# Altium PCB 2560TK_Pcb.PcbDoc (part 2 of 2) (continued)
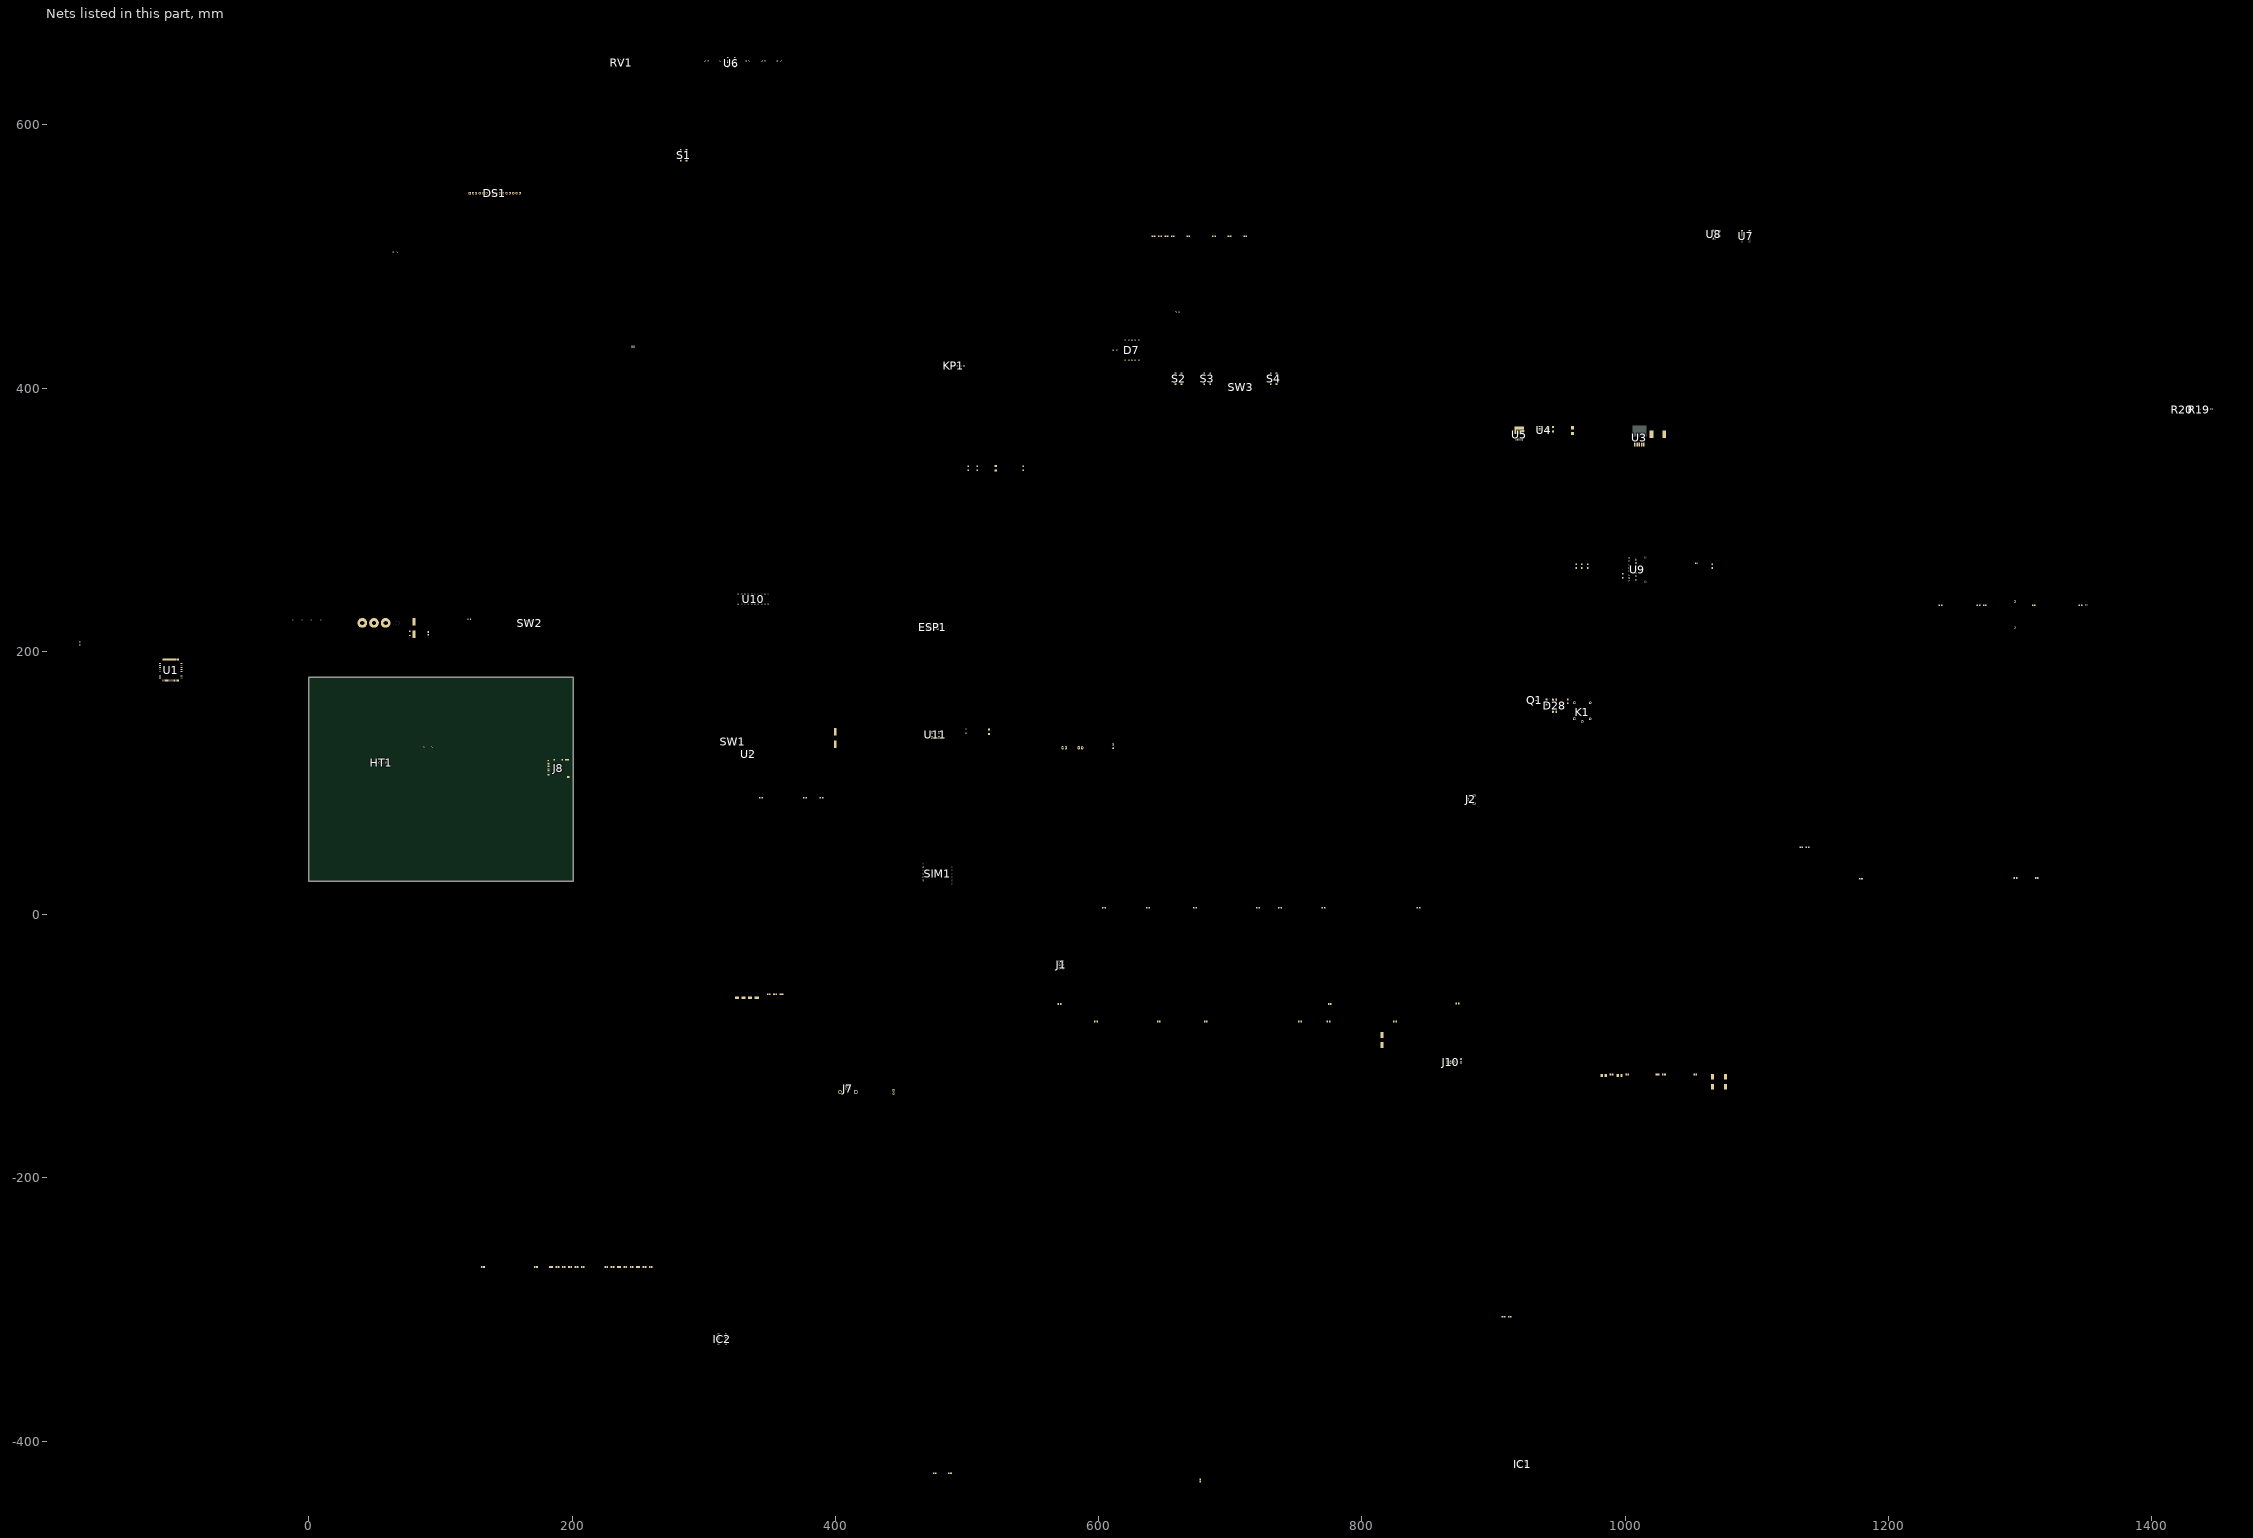
[diagram p2: the nets of this part, all layers, seen from the top]
## Part data (continued)
SW1 SW2: library part 218-4LPSTR, "SWITCH SLIDE DIP SPST 25MA 24V", Current Rating (Amps)=25mA, Manufacturer="CTS Electrocomponents", Operating Temperature="-55°C ~ 85°C", Supplier Part Number 1=CT3110CT-ND, Voltage Rating=24VDC, Actuator Level="Flush, Recessed", Actuator Type="Slide (Standard)", Circuit=SPST, ComponentLink1Description=Datasheet, ComponentLink1URL=https://www.ctscorp.com/wp-content/uploads/218.pdf, ComponentLink2Description="DigiKey Link", ComponentLink2URL=http://digikey.com/product-detail/en/cts-electrocomponents/218-4LPSTR/CT3110CT-ND/5875763, Contact Finish=Gold, Contact Material="Beryllium Copper", Features="Epoxy Sealed Terminals, Tape Seal", Height Above Board="0.104\" (2.65mm)", LastUpdated="04/01/2020 18:53:14", Lifecycle Status=Active, Minimum Order=1, Mounting Type="Surface Mount", Number of Positions=4, Packaging=ReReel, Part Number=218-4LPSTR, Part Status=Active, PartId=9, Pitch="0.050\" (1.27mm), Half", Price=0.00, Series=218, Supplier 1=DigiKey, Termination Style="Gull Wing", Washable=Yes
SW3: "SWITCH SLIDE DIP SPST 25MA 24V", Current Rating (Amps)=25mA, Manufacturer="CTS Electrocomponents", Operating Temperature="-55°C ~ 85°C", Supplier Part Number 1=CT2182LPST-ND, Voltage Rating=24VDC, Actuator Level="Flush, Recessed", Actuator Type="Slide (Standard)", Circuit=SPST, ComponentLink1Description=Datasheet, ComponentLink1URL=https://www.ctscorp.com/wp-content/uploads/218.pdf, ComponentLink2Description="DigiKey Link", ComponentLink2URL=http://digikey.com/product-detail/en/cts-electrocomponents/218-2LPST/CT2182LPST-ND/267319, Contact Finish=Gold, Contact Material="Beryllium Copper", Features="Epoxy Sealed Terminals, Tape Seal", Height Above Board="0.104\" (2.65mm)", LastUpdated="1/4/2020 18:30:26", Lifecycle Status=Active, Minimum Order=1, Mounting Type="Surface Mount", Number of Positions=2, Packaging=Tube, Part Number=218-2LPST, Part Status=Active, PartId=3, Pitch="0.050\" (1.27mm), Half", Price=1.04, Series=218, Supplier 1=DigiKey, Termination Style="Gull Wing", Washable=Yes
U1: "ATMEGA2560 IC MCU 8BIT 256KB FLASH 100TQFP", Case/Package=A, Frequency=16MHz, Manufacturer="Microchip / Atmel", Max Operating Temperature=85°C, Max Supply Voltage=5.5V, Min Operating Temperature=-40°C, Min Supply Voltage=4.5V, Operating Supply Voltage=5V, Package Quantity=1500, Supplier Part Number 1=ATMEGA2560-16AURCT-ND, Category=Microcontrollers, ComponentLink1Description=https://datasheet.ciiva.com/6641/atmel-2549-8-bit-avr-microcontroller-atmega640-1280-1281-2560-2561-summary-6641242.pdf?src-supplier=Digi-Key, ComponentLink1URL=https://datasheet.ciiva.com/6641/atmel-2549-8-bit-avr-microcontroller-atmega640-1280-1281-2560-2561-summary-6641242.pdf?src-supplier=Digi-Key, ComponentLink2Description=https://datasheet.ciiva.com/6641/atmel-2549-8-bit-avr-microcontroller-atmega640-1280-1281-2560-2561-summary-6641243.pdf?src-supplier=Digi-Key, ComponentLink2URL=https://datasheet.ciiva.com/6641/atmel-2549-8-bit-avr-microcontroller-atmega640-1280-1281-2560-2561-summary-6641243.pdf?src-supplier=Digi-Key, ComponentLink3Description=https://datasheet.ciiva.com/6641/atmel-2549-8-bit-avr-microcontroller-atmega640-1280-1281-2560-2561-summary-6641244.pdf?src-supplier=Digi-Key, ComponentLink3URL=https://datasheet.ciiva.com/6641/atmel-2549-8-bit-avr-microcontroller-atmega640-1280-1281-2560-2561-summary-6641244.pdf?src-supplier=Digi-Key, Contact Plating=Tin,Matte, Core Architecture=AVR, Data Bus Width=8b, Interface=I2C,SPI,UART,USART,EBI/EMI, Lead Free="Lead Free", Manufacturer Part Number=ATMEGA2560-16AUR, Max Frequency=16MHz, Memory Size=256KB, Memory Type=FLASH, Mount="Surface Mount", Number of I/Os=86, Number of Pins=100, Number of Programmable I/O=86, Number of Timers/Counters=6, Oscillator Type=Internal, Packaging="Tape and Reel", Peripherals="Brown-out Detect/Reset,POR,PWM,WDT", Pricing 1="1=11.99000, 25=10.99000, 100=9.95010 (USD)", RAM Size=8KB, REACH SVHC="No SVHC", RoHS=Yes, Stock 1=900, Supplier 1=Digi-Key, Watchdog Timer=Yes
U2: "TEXAS INSTRUMENTS - SN74AHC1G09DBVR - AND Gate, 74AHC1G09, 2 Input, 2 V to 5.5 V, SOT-23-5", Case/Package=SOT-23, Low Level Output Current=8mA, Manufacturer="Texas Instruments", Max Operating Temperature=125°C, Max Supply Voltage=5.5V, Min Operating Temperature=-55°C, Min Supply Voltage=2V, Output Current=25mA, Package Quantity=3000, Quiescent Current=1uA, Supplier Part Number 1=296-29202-1-ND, Category="Logic Gates", ComponentLink1Description=https://datasheet.ciiva.com/1864/sn74ahc1g09-1864410.pdf?src-supplier=Digi-Key, ComponentLink1URL=https://datasheet.ciiva.com/1864/sn74ahc1g09-1864410.pdf?src-supplier=Digi-Key, ComponentLink2Description=https://datasheet.ciiva.com/1864/sn74ahc1g09-1864411.pdf?src-supplier=Digi-Key, ComponentLink2URL=https://datasheet.ciiva.com/1864/sn74ahc1g09-1864411.pdf?src-supplier=Digi-Key, ComponentLink3Description=https://datasheet.ciiva.com/1864/sn74ahc1g09-1864412.pdf?src-supplier=Digi-Key, ComponentLink3URL=https://datasheet.ciiva.com/1864/sn74ahc1g09-1864412.pdf?src-supplier=Digi-Key, Contact Plating=Tin,Matte, Lead Free="Lead Free", Logic Function="AND GATE", Manufacturer Part Number=SN74AHC1G09DBVR, Mount="Surface Mount", Number of Bits=1, Number of Circuits=1, Number of Elements=1, Number of Gates=1, Number of Inputs=2, Number of Outputs=1, Number of Pins=5, Output Voltage=5.5V, Packaging="Tape and Reel", Pricing 1="1=0.36000, 10=0.27100, 25=0.23760, 100=0.15370, 250=0.12720, 500=0.10176, 1000=0.07802 (USD)", Propagation Delay=7.5ns, Radiation Hardening=No, REACH SVHC="No SVHC", RoHS=Yes, RoHS Compliant=Yes, Series=74AHC, Stock 1=8299, Supplier 1=Digi-Key, Technology=CMOS
U3: "Sw. Regulator 3A Adj. Step-Down D2PAK-5", Case/Package=D2PAK, Manufacturer="ON Semiconductor", Max Input Voltage=40V, Max Operating Temperature=125°C, Max Output Current=3A, Max Output Voltage=37V, Min Input Voltage=4.5V, Min Operating Temperature=-40°C, Min Output Voltage=1.23V, Package Quantity=800, Supplier Part Number 1=LM2596DSADJR4GOSCT-ND, Switching Frequency=150kHz, Category="Voltage Regulators - Switching", ComponentLink1Description=https://datasheet.ciiva.com/15113/getdatasheetpartid-224280-15113862.pdf?src-supplier=Verical, ComponentLink1URL=https://datasheet.ciiva.com/15113/getdatasheetpartid-224280-15113862.pdf?src-supplier=Verical, ComponentLink2Description=https://datasheet.ciiva.com/6603/lm2596-d-6603896.pdf?src-supplier=Digi-Key, ComponentLink2URL=https://datasheet.ciiva.com/6603/lm2596-d-6603896.pdf?src-supplier=Digi-Key, ComponentLink3Description=https://datasheet.ciiva.com/6603/lm2596-d-6603897.pdf?src-supplier=Digi-Key, ComponentLink3URL=https://datasheet.ciiva.com/6603/lm2596-d-6603897.pdf?src-supplier=Digi-Key, ComponentLink4Description=https://datasheet.ciiva.com/6603/lm2596-d-6603898.pdf?src-supplier=Digi-Key, ComponentLink4URL=https://datasheet.ciiva.com/6603/lm2596-d-6603898.pdf?src-supplier=Digi-Key, ComponentLink5Description=https://datasheet.ciiva.com/8270/lm2596-d-8270188.pdf?src-supplier=Avnet, ComponentLink5URL=https://datasheet.ciiva.com/8270/lm2596-d-8270188.pdf?src-supplier=Avnet, Efficiency=73%, Halogen Free="Halogen Free", Height=9.347mm, Lead Free="Lead Free", Length=10.24mm, Manufacturer Part Number=LM2596DSADJR4G, Mount="Surface Mount", Number of Outputs=1, Number of Pins=5, Operating Supply Voltage=40V, Output Current=3A, Output Type=Adjustable, Output Voltage=37V, Packaging="Tape and Reel", Pricing 1="1=2.24000, 10=2.01100, 25=1.89760, 100=1.59390 (USD)", Radiation Hardening=No, REACH SVHC="No SVHC", RoHS=Yes, RoHS Compliant=Yes, Series=LM2596, Stock 1=3215, Supplier 1=Digi-Key, Switching Frequency-Max=150kHz, Synchronous Rectifier=No, Topology=Buck-Boost, Width=4.572mm
U4: "IC REG LINEAR 3.3V 1.5A SOT223-6", Case/Package=SOT-223, Dropout Voltage=340mV, Input Bias Current=1mA, Manufacturer="Texas Instruments", Max Input Voltage=20V, Max Operating Temperature=125°C, Max Output Current=1.5A, Max Output Voltage=3.3V, Min Current Limit=1.6A, Min Input Voltage=2.1V, Min Operating Temperature=-40°C, Package Quantity=1, Accuracy=3%, Category="Voltage Regulators - Linear", ComponentLink1Description=https://datasheet.ciiva.com/2046/tl1963a-2046161.pdf?src-supplier=Digi-Key, ComponentLink1URL=https://datasheet.ciiva.com/2046/tl1963a-2046161.pdf?src-supplier=Digi-Key, ComponentLink2Description=https://datasheet.ciiva.com/2046/tl1963a-2046162.pdf?src-supplier=Digi-Key, ComponentLink2URL=https://datasheet.ciiva.com/2046/tl1963a-2046162.pdf?src-supplier=Digi-Key, ComponentLink3Description=https://datasheet.ciiva.com/2046/tl1963a-2046163.pdf?src-supplier=Digi-Key, ComponentLink3URL=https://datasheet.ciiva.com/2046/tl1963a-2046163.pdf?src-supplier=Digi-Key, ComponentLink4Description=https://datasheet.ciiva.com/26176/tl1963a-25-26176569.pdf?src-supplier=Avnet+Europe, ComponentLink4URL=https://datasheet.ciiva.com/26176/tl1963a-25-26176569.pdf?src-supplier=Avnet+Europe, Contact Plating=Gold, Lead Free="Lead Free", Manufacturer Part Number=TL1963A-33DCQR, Min Output Voltage=3.3V, Number of Outputs=1, Number of Pins=6, Number of Regulators=1, Output Current=1.5A, Output Type=Fixed, Output Voltage=3.3V, Packaging="Tape and Reel", Polarity=Positive, Pricing 1="1=3.03940, 10=2.70250, 25=2.66220, 100=2.15850, 250=2.13670, 500=1.82850, 1000=1.81010, 2500=2.81000, 25000=2.65000, 250000=1.72200, 1250000=1.24700, 2500000=1.24300 (USD)", Quiescent Current=1mA, Radiation Hardening=No, RoHS=Yes, RoHS Compliant=Yes, Series=-, Stock 1=1994, Supplier 1="Arrow Electronics", Supplier Part Number 1=TL1963A-33DCQR
U5: "IC REG LINEAR POS ADJ 3A TO252-5", Case/Package=TO-263-6, Dropout Voltage=450mV, Manufacturer=Microchip, Max Operating Temperature=125°C, Min Current Limit=3A, Min Input Voltage=3V, Min Operating Temperature=-40°C, Output Voltage=15V, Output Voltage Accuracy=2%, Supplier Part Number 1=576-4106-1-ND, Category="Voltage Regulators - Linear", ComponentLink1Description=https://datasheet.ciiva.com/6582/mic29302a-6582272.pdf?src-supplier=Digi-Key, ComponentLink1URL=https://datasheet.ciiva.com/6582/mic29302a-6582272.pdf?src-supplier=Digi-Key, ComponentLink2Description=https://datasheet.ciiva.com/6582/mic29302a-6582270.pdf?src-supplier=Digi-Key, ComponentLink2URL=https://datasheet.ciiva.com/6582/mic29302a-6582270.pdf?src-supplier=Digi-Key, Lead Free="Lead Free", Manufacturer Part Number=MIC29302AWD-TR, Mount="Surface Mount", Number of Outputs=1, Number of Regulators=1, Output Current=3A, Packaging="Tape and Reel", Polarity=Positive, Pricing 1="1=1.96000, 25=1.64000, 100=1.49000 (USD)", RoHS=No, RoHS Compliant=No, Series=-, Stock 1=2431, Supplier 1=Digi-Key
U6: "IC SHIFT REGISTR 8BIT 3ST 16SOIC", Case/Package=SOIC, Manufacturer="ON Semiconductor", Max Operating Temperature=125°C, Max Supply Voltage=6V, Min Operating Temperature=-55°C, Package Quantity=1, Supplier Part Number 1=MC74HC595ADR2OSCT-ND, Category="Shift Registers", ComponentLink1Description=https://datasheet.ciiva.com/1887/mc74hc595a-d-1887894.pdf?src-supplier=Digi-Key, ComponentLink1URL=https://datasheet.ciiva.com/1887/mc74hc595a-d-1887894.pdf?src-supplier=Digi-Key, ComponentLink2Description=https://datasheet.ciiva.com/1887/mc74hc595a-d-1887895.pdf?src-supplier=Digi-Key, ComponentLink2URL=https://datasheet.ciiva.com/1887/mc74hc595a-d-1887895.pdf?src-supplier=Digi-Key, Lead Free="Contains Lead", Logic Function="Shift Register", Manufacturer Part Number=MC74HC595ADR2, Mount="Surface Mount", Number of Bits=8, Number of Bits per Element=8, Number of Circuits=2, Number of Elements=1, Number of Input Lines=3, Number of Output Lines=3, Number of Pins=16, Output Type=3-STATE, Packaging="Tape and Reel", Propagation Delay=24ns, RoHS=No, RoHS Compliant=No, Series=74HC, Supplier 1=Digi-Key, Voltage=6V
U7: "MAXIM INTEGRATED PRODUCTS - DS3231SN#T&R - IC, RTC, Datum-/Zeitformat (Tag/Datum/Monat/Jahr, hh:mm:ss), I2C, 2.3V-5.5V Versorgung, SOIC-16", Case/Package=SOIC, Manufacturer=Maxim, Manufacturer Part Number=DS3231SN#T&R, Max Operating Temperature=85°C, Max Supply Voltage=5.5V, Min Operating Temperature=-40°C, Min Supply Voltage=2.3V, Operating Supply Voltage=3.3V, Package Quantity=1000, Supplier Part Number 1=DS3231SN#T&RCT-ND, Category="Real Time Clocks", ComponentLink1Description=https://datasheet.ciiva.com/17307/ds3231-17307128.pdf?src-supplier=Avnet+Europe, ComponentLink1URL=https://datasheet.ciiva.com/17307/ds3231-17307128.pdf?src-supplier=Avnet+Europe, ComponentLink2Description=https://datasheet.ciiva.com/12291/ds3231-102175-12291260.pdf?src-supplier=Mouser, ComponentLink2URL=https://datasheet.ciiva.com/12291/ds3231-102175-12291260.pdf?src-supplier=Mouser, ComponentLink3Description=https://datasheet.ciiva.com/14244/ds3231-14244637.pdf?src-supplier=Avnet, ComponentLink3URL=https://datasheet.ciiva.com/14244/ds3231-14244637.pdf?src-supplier=Avnet, ComponentLink4Description=https://datasheet.ciiva.com/14244/ds3231-14244733.pdf?src-supplier=Avnet, ComponentLink4URL=https://datasheet.ciiva.com/14244/ds3231-14244733.pdf?src-supplier=Avnet, Contact Plating=Tin,Matte, Date Format=YY-MM-DD-dd, Interface=I2C,Serial,2-Wire, Lead Free="Lead Free", Logic Function=Clock, Mount="Surface Mount", Number of Pins=16, Packaging="Tape and Reel", Pricing 1="1=8.82000, 10=7.96700, 25=7.59600, 100=6.59560, 250=6.29920, 500=5.74336 (USD)", Radiation Hardening=No, RoHS=Yes, RoHS Compliant=Yes, Series=-, Stock 1=4168, Supplier 1=Digi-Key, Time Format=HH:MM:SS
U8: "EEPROM Serial-2Wire 32K-bit 4K x 8 1.8V/2.5V/3.3V/5V 8-Pin SOIC T/R", Case/Package=SOIC, Frequency=1MHz, Manufacturer="Microchip / Atmel", Max Operating Temperature=85°C, Max Supply Voltage=5.5V, Min Operating Temperature=-40°C, Min Supply Voltage=1.7V, Nominal Supply Current=3mA, Operating Supply Voltage=5V, Package Quantity=1, Supplier Part Number 1=AT24C32D-SSHM-TCT-ND, Access Time=550ns, Access Time-Max=550ns, Category=EEPROM, ComponentLink1Description=https://datasheet.ciiva.com/15123/getdatasheetpartid-320868-15123383.pdf?src-supplier=Verical, ComponentLink1URL=https://datasheet.ciiva.com/15123/getdatasheetpartid-320868-15123383.pdf?src-supplier=Verical, ComponentLink2Description=https://datasheet.ciiva.com/5700/1744693-5700966.pdf?src-supplier=Farnell, ComponentLink2URL=https://datasheet.ciiva.com/5700/1744693-5700966.pdf?src-supplier=Farnell, ComponentLink3Description=https://datasheet.ciiva.com/26869/at24c32d-sshm-t-26869756.pdf?src-supplier=IIIC, ComponentLink3URL=https://datasheet.ciiva.com/26869/at24c32d-sshm-t-26869756.pdf?src-supplier=IIIC, ComponentLink4Description=https://datasheet.ciiva.com/6615/atmel-8866-seeprom-at24c32d-datasheet-6615162.pdf?src-supplier=Digi-Key, ComponentLink4URL=https://datasheet.ciiva.com/6615/atmel-8866-seeprom-at24c32d-datasheet-6615162.pdf?src-supplier=Digi-Key, ComponentLink5Description=https://datasheet.ciiva.com/24168/atmel-8850-seeprom-at24c64d-datasheet-24168478.pdf?src-supplier=Future+Electronics, ComponentLink5URL=https://datasheet.ciiva.com/24168/atmel-8850-seeprom-at24c64d-datasheet-24168478.pdf?src-supplier=Future+Electronics, ComponentLink6Description=https://datasheet.ciiva.com/18617/atmel-8866-seeprom-at24c32d-datasheet-18617722.pdf?src-supplier=Digi-Key, ComponentLink6URL=https://datasheet.ciiva.com/18617/atmel-8866-seeprom-at24c32d-datasheet-18617722.pdf?src-supplier=Digi-Key, ComponentLink7Description=https://datasheet.ciiva.com/6615/atmel-8866-seeprom-at24c32d-datasheet-6615163.pdf?src-supplier=Digi-Key, ComponentLink7URL=https://datasheet.ciiva.com/6615/atmel-8866-seeprom-at24c32d-datasheet-6615163.pdf?src-supplier=Digi-Key, ComponentLink8Description=https://datasheet.ciiva.com/22729/1744693-22729500.pdf?src-supplier=Element14, ComponentLink8URL=https://datasheet.ciiva.com/22729/1744693-22729500.pdf?src-supplier=Element14, ComponentLink9Description=https://datasheet.ciiva.com/22618/1744693-22618573.pdf?src-supplier=Element14, ComponentLink9URL=https://datasheet.ciiva.com/22618/1744693-22618573.pdf?src-supplier=Element14, Density=32Kb, Interface=I2C,Serial,2-Wire, Lead Free="Lead Free", Manufacturer Part Number=AT24C32D-SSHM-T, Max Frequency=1MHz, Memory Size=32Kb, Memory Type=EEPROM, Mount="Surface Mount", Number of Pins=8, Organization=4KX8, Packaging="Tape and Reel", Pricing 1="1=0.44000 (USD)", Radiation Hardening=No, REACH SVHC="No SVHC", RoHS=Yes, RoHS Compliant=Yes, Series=-, Supply Current=3mA, Supply Voltage-Nom=5.5V, Voltage=5V, Write Cycle Time-Max (tWC)=5ms, Write Protection=YES
U9: "Motor / Motion / Ignition Controllers & Drivers Dual Full Bridge", Collector Emitter Voltage (VCEO)=46V, Manufacturer=STMicroelectronics, Max Collector Current=3A, Max Operating Temperature=130°C, Min Operating Temperature=-25°C, Min Supply Voltage=4.8V, Operating Supply Current=13mA, Operating Supply Voltage=42V, Output Current=2A, Package Quantity=25, Quiescent Current=500mA, Supplier Part Number 1=497-1395-5-ND, Category="Motor Drivers", ComponentLink1Description=https://datasheet.ciiva.com/15109/getdatasheetpartid-50682-15109332.pdf?src-supplier=Verical, ComponentLink1URL=https://datasheet.ciiva.com/15109/getdatasheetpartid-50682-15109332.pdf?src-supplier=Verical, ComponentLink2Description=https://datasheet.ciiva.com/19456/245403-19456698.pdf?src-supplier=Jameco, ComponentLink2URL=https://datasheet.ciiva.com/19456/245403-19456698.pdf?src-supplier=Jameco, ComponentLink3Description=https://datasheet.ciiva.com/25626/0900766b80060c26-25626619.pdf?src-supplier=RSComponents, ComponentLink3URL=https://datasheet.ciiva.com/25626/0900766b80060c26-25626619.pdf?src-supplier=RSComponents, ComponentLink4Description=https://datasheet.ciiva.com/14150/ofl298n-647108-dat-en-14150301.pdf?src-supplier=Distrelec, ComponentLink4URL=https://datasheet.ciiva.com/14150/ofl298n-647108-dat-en-14150301.pdf?src-supplier=Distrelec, ComponentLink5Description=https://datasheet.ciiva.com/29306/156128-da-01-en-dual-bridge-driv-l298n-29306997.pdf?src-supplier=Conrad, ComponentLink5URL=https://datasheet.ciiva.com/29306/156128-da-01-en-dual-bridge-driv-l298n-29306997.pdf?src-supplier=Conrad, ComponentLink6Description=https://datasheet.ciiva.com/26880/l298n-26880153.pdf?src-supplier=IIIC, ComponentLink6URL=https://datasheet.ciiva.com/26880/l298n-26880153.pdf?src-supplier=IIIC, ComponentLink7Description=https://datasheet.ciiva.com/1608/1693054-1608165.pdf?src-supplier=Newark, ComponentLink7URL=https://datasheet.ciiva.com/1608/1693054-1608165.pdf?src-supplier=Newark, ComponentLink8Description=https://datasheet.ciiva.com/1500/1693054-1500714.pdf?src-supplier=Element14, ComponentLink8URL=https://datasheet.ciiva.com/1500/1693054-1500714.pdf?src-supplier=Element14, ComponentLink9Description=https://datasheet.ciiva.com/1501/1693054-1501547.pdf?src-supplier=Element14, ComponentLink9URL=https://datasheet.ciiva.com/1501/1693054-1501547.pdf?src-supplier=Element14, ComponentLink10Description=https://datasheet.ciiva.com/1955/cd00000240-1955436.pdf?src-supplier=Digi-Key, ComponentLink10URL=https://datasheet.ciiva.com/1955/cd00000240-1955436.pdf?src-supplier=Digi-Key, ComponentLink11Description=https://datasheet.ciiva.com/4895/cd00000240-4895919.pdf?src-supplier=Mouser, ComponentLink11URL=https://datasheet.ciiva.com/4895/cd00000240-4895919.pdf?src-supplier=Mouser, Height=10.7mm, Lead Free="Lead Free", Length=19.6mm, Manufacturer Part Number=L298N, Max Output Current=3A, Max Supply Voltage=46V, Motor Type=Brushed, Mount="Through Hole", Number of Drivers=2, Number of Outputs=4, Number of Pins=15, Output Current per Channel=2A, Output Impedance=24mR, Output Voltage=46V, Packaging=Rail/Tube, Pricing 1="1=5.15000, 10=4.62700, 25=4.37400, 100=3.59650, 250=3.22712, 500=3.11046, 1000=2.58557, 2500=2.48837, 5000=2.47590 (USD)", Radiation Hardening=No, REACH SVHC="No SVHC", RoHS=Yes, RoHS Compliant=Yes, Series=-, Stock 1=13112, Supplier 1=Digi-Key, Width=5mm
U10: "ATMEL         ATTINY2313-20PU            8 Bit Microcontroller, Low Power High Performance, ATtiny, 20 MHz, 2 KB, 128 Byte, 20 Pins, DIP", Case/Package=DIP, Frequency=20MHz, Manufacturer="Microchip / Atmel", Max Operating Temperature=85°C, Max Supply Voltage=5.5V, Min Operating Temperature=-40°C, Min Supply Voltage=2.7V, Package Quantity=18, Supplier Part Number 1=ATTINY2313-20PU-ND, Access Time=20us, Address Bus Width=8b, Category=Microcontrollers, ComponentLink1Description=https://datasheet.ciiva.com/1167/doc2543-1167040.pdf?src-supplier=Newark, ComponentLink1URL=https://datasheet.ciiva.com/1167/doc2543-1167040.pdf?src-supplier=Newark, ComponentLink2Description=https://datasheet.ciiva.com/19481/1537061-19481586.pdf?src-supplier=Jameco, ComponentLink2URL=https://datasheet.ciiva.com/19481/1537061-19481586.pdf?src-supplier=Jameco, ComponentLink3Description=https://datasheet.ciiva.com/15122/getdatasheetpartid-143079-15122628.pdf?src-supplier=Verical, ComponentLink3URL=https://datasheet.ciiva.com/15122/getdatasheetpartid-143079-15122628.pdf?src-supplier=Verical, ComponentLink4Description=https://datasheet.ciiva.com/20168/73-4316-20168308.pdf?src-supplier=Rapid+Electronics, ComponentLink4URL=https://datasheet.ciiva.com/20168/73-4316-20168308.pdf?src-supplier=Rapid+Electronics, ComponentLink5Description=https://datasheet.ciiva.com/14132/gn645062-14132485.pdf?src-supplier=Distrelec, ComponentLink5URL=https://datasheet.ciiva.com/14132/gn645062-14132485.pdf?src-supplier=Distrelec, ComponentLink6Description=https://datasheet.ciiva.com/1158/1131078-1158423.pdf?src-supplier=Element14, ComponentLink6URL=https://datasheet.ciiva.com/1158/1131078-1158423.pdf?src-supplier=Element14, ComponentLink7Description=https://datasheet.ciiva.com/26207/doc2543-26207001.pdf?src-supplier=Avnet+Europe, ComponentLink7URL=https://datasheet.ciiva.com/26207/doc2543-26207001.pdf?src-supplier=Avnet+Europe, ComponentLink8Description=https://datasheet.ciiva.com/6639/doc2543-6639931.pdf?src-supplier=Digi-Key, ComponentLink8URL=https://datasheet.ciiva.com/6639/doc2543-6639931.pdf?src-supplier=Digi-Key, ComponentLink9Description=https://datasheet.ciiva.com/3203/doc2543-3203135.pdf?src-supplier=Avnet, ComponentLink9URL=https://datasheet.ciiva.com/3203/doc2543-3203135.pdf?src-supplier=Avnet, Contact Plating=Tin,Matte, Core Architecture=AVR, Data Bus Width=8b, Density=2KB, Height=4.953mm, Interface=SPI,UART,USART, Lead Free="Lead Free", Length=25.98mm, Manufacturer Part Number=ATTINY2313-20PU, Max Frequency=20MHz, Memory Size=2KB, Memory Type=FLASH,EEPROM, Mount="Through Hole", Number of Bits=8, Number of I2C Channels=1, Number of I/Os=18, Number of Pins=20, Number of Programmable I/O=18, Number of PWM Channels=4, Number of SPI Channels=2, Number of Timers/Counters=2, Number of UART Channels=1, Oscillator Type=Internal, Packaging=Rail/Tube, Peripherals="Brown-out Detect/Reset,POR,PWM,WDT", Pricing 1="1=1.93000, 25=1.77120, 100=1.59500 (USD)", Radiation Hardening=No, RAM Size=128B, REACH SVHC="No SVHC", RoHS=Yes, RoHS Compliant=Yes, Series="AVR® ATtiny", Stock 1=1963, Supplier 1=Digi-Key, Watchdog Timer=Yes, Width=7.112mm
U11: "Buffer/Line Driver 4-CH Non-Inverting 3-ST CMOS 14-Pin SOP T/R", Case/Package=SO, High Level Output Current=-8mA, Low Level Output Current=8mA, Manufacturer="Texas Instruments", Max Operating Temperature=125°C, Max Supply Voltage=5.5V, Min Operating Temperature=-40°C, Min Supply Voltage=2V, Package Quantity=2000, Quiescent Current=4uA, Supplier Part Number 1=296-31733-1-ND, Category="Buffers, Drivers and Transceivers", ComponentLink1Description=https://datasheet.ciiva.com/6623/sn74ahc125-6623637.pdf?src-supplier=Digi-Key, ComponentLink1URL=https://datasheet.ciiva.com/6623/sn74ahc125-6623637.pdf?src-supplier=Digi-Key, Lead Free="Lead Free", Logic Function=Buffer,Inverting, Manufacturer Part Number=SN74AHC125NSR, Mount="Surface Mount", Number of Bits=4, Number of Bits per Element=1, Number of Channels=4, Number of Elements=4, Number of Input Lines=4, Number of Inputs=4, Number of Output Lines=4, Number of Outputs=4, Number of Pins=14, Output Type=3-STATE, Packaging="Tape and Reel", Polarity=Non-Inverting, Pricing 1="1=0.43000, 10=0.36600, 25=0.34120, 100=0.27310, 250=0.25356, 500=0.21454, 1000=0.16578 (USD)", Propagation Delay=7.5ns, RoHS=Yes, RoHS Compliant=Yes, Series=74AHC, Stock 1=3905, Supplier 1=Digi-Key, Technology=CMOS, Turn-On Delay Time=15ns
Y1: library part ABLS-16.000MHZ-16-A-4-H-T, "CRYSTAL 16.0000MHZ 16PF SMD", ESR (Equivalent Series Resistance)="40 Ohms", Frequency Stability=±35ppm, Frequency Tolerance=±30ppm, Load Capacitance=16pF, Manufacturer="Abracon LLC", Operating Mode=Fundamental, Operating Temperature="-10°C ~ 60°C", Package / Case=HC-49/US, Supplier Part Number 1=535-14880-1-ND, ComponentLink1Description=Datasheet, ComponentLink1URL=https://abracon.com/Resonators/abls.pdf, ComponentLink2Description="DigiKey Link", ComponentLink2URL=http://digikey.com/product-detail/en/abracon-llc/ABLS-16.000MHZ-16-A-4-H-T/535-14880-1-ND/9997957, Frequency=16MHz, Height - Seated (Max)="0.165\" (4.20mm)", LastUpdated="02/09/2020 01:21:46", Lifecycle Status=Active, Minimum Order=1, Mounting Type="Surface Mount", Packaging=TapeAndReel, Part Number=ABLS-16.000MHZ-16-A-4-H-T, Part Status=Active, PartId=68, Price=0.12, Series=ABLS, Size / Dimension="0.449\" L x 0.185\" W (11.40mm x 4.70mm)", Supplier 1=DigiKey, Type="MHz Crystal"
Y2: library part ABLS-12.000MHZ-30-A-4-H-T, "CRYSTAL 12.0000MHZ 30PF SMD", ESR (Equivalent Series Resistance)="50 Ohms", Frequency Stability=±35ppm, Frequency Tolerance=±30ppm, Load Capacitance=30pF, Manufacturer="Abracon LLC", Operating Mode=Fundamental, Operating Temperature="-10°C ~ 60°C", Package / Case=HC-49/US, Supplier Part Number 1=535-14871-1-ND, ComponentLink1Description=Datasheet, ComponentLink1URL=https://abracon.com/Resonators/abls.pdf, ComponentLink2Description="DigiKey Link", ComponentLink2URL=http://digikey.com/product-detail/en/abracon-llc/ABLS-12.000MHZ-30-A-4-H-T/535-14871-1-ND/9997948, Frequency=12MHz, Height - Seated (Max)="0.165\" (4.20mm)", LastUpdated="9/2/2020 01:21:46", Lifecycle Status=Active, Minimum Order=1, Mounting Type="Surface Mount", Packaging=TapeAndReel, Part Number=ABLS-12.000MHZ-30-A-4-H-T, Part Status=Active, PartId=82, Price=0.14, Series=ABLS, Size / Dimension="0.449\" L x 0.185\" W (11.40mm x 4.70mm)", Supplier 1=DigiKey, Type="MHz Crystal"
SIM1: ComponentLink1Description=Shop, ComponentLink1URL=https://store.nerokas.co.ke/index.php?route=product/product&product_id=1266, Supplier1=Nerokas

## Nets (pads, with @x,y where several pads share a name; then routed paths per layer and width w, separated by ;. In a path a pad name is that pad's centre, name@x,y a point inside that pad or via, vN(x,y) a via of type N, cw(c..) or ccw(c..) an arc to the next point about the centre after c; other vN are vias at no path point)
+3V3: C21.2 C29.2 C36.2 D7.3 D7.8 ESP1.6 ESP1.8 IC1.1 IC1.8 IC2.1 IC2.8 J8.4 U4.4 U4.5
+4V1: C24.1 C25.2 C28.2 R7.2 R8.2 SIM1.2 U5.4
+5: C1.2 C2.2 C3.2 C4.2 C5.2 C6.2 C7.2 C8.2 C13.2 C16.2 C18.1 C19.2 C20.2 C22.2 C23.2 C26.2 C30.2 C31.2 C37.2 D1.2 DS1.2 FB1.1 HT1.1 IC1.14 IC2.14 J1.2 J6.1 J8.10 J9.1 L1.2 R1.2 R3.2 R4.2 R5.2 R18.2 R19.5 R19.6 R19.7 R19.8 R20.5 R20.6 R20.7 R20.8 R35.2 RV1.1 S2.1 S2.2 S3.1 S3.2 S4.1 S4.2 SW3.1 U1.10 U1.31 U1.61 U1.80 U2.5 U4.1 U4.2 U5.1 U5.2 U6.16 U7.2 U8.8 U10.20 U11.14
+12: C27.1 D14.2 D15.2 D16.2 D17.2 SW3.2
AREF: C9.2 C10.2 U1.98
AVCC: C11.2 C12.2 FB1.2 U1.100
BUFF_EN: U10.8 U11.1 U11.4 U11.10 U11.13
BUZZER_PWM: LS1.1 U1.5
D+: R37.2 U10.6
D-: R36.2 U10.7
DHT_DATA: HT1.2 R3.1 U1.6
GND: BH1.1 C1.1 C2.1 C3.1 C4.1 C5.1 C6.1 C7.1 C8.1 C9.1 C10.1 C11.1 C12.1 C13.1 C14.1 C15.1 C16.1 C17.2 C18.2 C19.1 C20.1 C21.1 C22.1 C23.1 C24.2 C25.1 C26.1 C27.2 C28.1 C29.1 C30.1 C31.1 C32.2 C33.2 C34.2 C35.2 C36.1 C37.1 D2.1 D3.2 D4.2 D5.2 D6.2 D8.2 D9.2 D10.2 D11.2 D12.2 D13.2 D18.2 D19.1 D20.1 D21.1 D22.1 D23.2 D24.2 D25.1 D26.1 D29.2 DS1.1 DS1.7 DS1.8 DS1.9 DS1.10 DS1.16 ESP1.1 HT1.4 IC1.7 IC2.7 J1.6 J2.2 J2.3 J7.4 J7.S J8.6 J8.S LS1.2 MH1.1 MH2.1 MH3.1 Q1.2 R6.1 R8.1 R9.1 R23.2 R25.2 R27.2 R30.1 R39.2 RV1.3 S1.1 S1.2 SIM1.6 U1.11 U1.32 U1.62 U1.81 U1.99 U2.3 U3.3 U3.5 U4.3 U4.6 U5.3 U5.6 U6.8 U6.13 U7.13 U8.4 U8.7 U9.1 U9.8 U9.15 U10.10 U11.7
GSM_RX: R28.1 U1.3
GSM_TX: R29.1 U1.2
ISP_LED1: R33.2 U10.9
ISP_LED2: R31.1 U10.12
ISP_SPI.ISP_MISO: SW2.6 U11.8
ISP_SPI.ISP_MOSI: R32.1 SW2.7
ISP_SPI.ISP_RST: SW2.8 U11.3
ISP_SPI.ISP_SCK: R34.1 SW2.5
KEYPAD.COL1: KP1.1 U1.53
KEYPAD.COL2: KP1.2 U1.54
KEYPAD.COL3: KP1.3 U1.55
KEYPAD.ROW1: KP1.4 U1.56
KEYPAD.ROW2: KP1.5 U1.57
KEYPAD.ROW3: KP1.6 U1.58
KEYPAD.ROW4: KP1.7 U1.59
LCD.LCD_BL: DS1.15 U1.74
LCD.LCD_DB4: DS1.11 U1.75
LCD.LCD_DB5: DS1.12 U1.76
LCD.LCD_DB6: DS1.13 U1.77
LCD.LCD_DB7: DS1.14 U1.78
LCD.LCD_E: DS1.6 U1.73
LCD.LCD_RS: DS1.4 U1.71
LCD.LCD_RW: DS1.5 U1.72
MISO: J1.1 SW1.1 SW2.3 U1.22
MISO': U10.18 U11.9
MOSI: J1.4 SW1.4 SW2.2 U1.21
MOSI': U10.17 U11.5
MOTOR_IN1: U1.23 U9.5
MOTOR_IN2: U1.24 U9.7
MOTOR_IN3: U1.25 U9.10
MOTOR_IN4: U1.26 U9.12
NetC14_2: C14.2 U1.33 Y1.2
NetC15_2: C15.2 U1.34 Y1.1
NetC17_1: C17.1 J2.1 U3.1
NetC32_1: C32.1 U10.4 Y2.2
NetC33_1: C33.1 U10.5 Y2.1
NetC34_1: C34.1 J7.1 L2.1
NetC35_1: C35.1 J6.2 L2.2
NetD1_1: D1.1 R1.1 R2.1 S1.3 S1.4
NetD2_2: D2.2 L1.1 U3.2
NetD3_1: D3.1 R5.1
NetD4_1: D4.1 R10.1
NetD5_1: D5.1 R11.1
NetD6_1: D6.1 R12.1
NetD7_1: D7.1 U6.4
NetD7_2: D7.2 U6.3
NetD7_4: D7.4 U6.2
NetD7_5: D7.5 U6.7
NetD7_6: D7.6 U6.1
NetD7_7: D7.7 U6.15
NetD7_9: D7.9 U6.5
NetD7_10: D7.10 U6.6
NetD8_1: D8.1 R13.1
NetD9_1: D9.1 R14.1
NetD10_1: D10.1 R15.1
NetD11_1: D11.1 R16.1
NetD12_1: D12.1 R17.1
NetD13_1: D13.1 R18.1
NetD14_1: D14.1 D19.2 J4.1 U9.2
NetD15_1: D15.1 D20.2 J4.2 U9.3
NetD16_1: D16.1 D21.2 J5.1 U9.13
NetD17_1: D17.1 D22.2 J5.2 U9.14
NetD18_1: D18.1 R21.1
NetD23_1: D23.1 R31.2
NetD24_1: D24.1 R33.1
NetD27_1: D27.1 K1.A2 Q1.3
NetD27_2: D27.2 D28.4 J9.2 K1.A1
NetD28_1: D28.1 R40.1
NetD28_2: D28.2 D29.1
NetD28_3: D28.3 R41.2
NetDS1_3: DS1.3 RV1.2
NetESP1_4: ESP1.4 IC1.5
NetESP1_5: ESP1.5 IC1.4
NetIC2_2: IC2.2 J8.7
NetIC2_3: IC2.3 J8.2
NetIC2_4: IC2.4 J8.5
NetIC2_5: IC2.5 J8.3
NetJ3_1: J3.1 U9.6
NetJ3_2: J3.2 U9.11
NetJ8_9: J8.9 R38.1 R39.1
NetQ1_1: Q1.1 R41.1
NetR2_2: R2.2 U2.1 U2.2
NetR4_1: R4.1 R6.2 U3.4
NetR7_1: R7.1 R9.2 U5.5
NetR19_3: R19.3 U7.3
NetR19_4: R19.4 U7.1
NetR20_2: R20.2 U8.3
NetR20_3: R20.3 U8.2
NetR20_4: R20.4 U8.1
NetR21_2: R21.2 SW3.4 U9.9
NetR22_1: R22.1 R23.1 S2.3 S2.4
NetR24_1: R24.1 R25.1 S3.3 S3.4
NetR26_1: R26.1 R27.1 S4.3 S4.4
NetR32_2: R32.2 U11.6
NetR34_2: R34.2 U11.11
NetR35_1: R35.1 U10.1
NetSW3_3: SW3.3 U9.4
PORTF.PF0: U1.97
PORTF.PF1: U1.96
PORTF.PF2: U1.95
PORTF.PF3: U1.94
PORTF.PF4: U1.93
PORTF.PF5: U1.92
PORTF.PF6: U1.91
PORTF.PF7: U1.90
RELAY1_TRIG: R40.2 U1.9
RESET: J1.5 SW2.1 U1.30 U2.4
RLY_COM: J10.2 K1.COM
RLY_NC: J10.1 K1.NC
RLY_NO: J10.3 K1.NO
RST': U10.16 U11.2
RTC_SCL: R19.2 U1.43 U7.16 U8.5 U8.6
RTC_SDA: R19.1 U1.44 U7.15
RTC_VBAT: BH1.2 U7.14
SCK: J1.3 SW1.3 SW2.4 U1.20
SCK': U10.19 U11.12
SD_SPI.SD_DET: R38.2 U1.7
SD_SPI.SD_MISO: IC2.13 SW1.8
SD_SPI.SD_MOSI: IC2.10 SW1.5
SD_SPI.SD_SCK: IC2.11 SW1.6
SD_SPI.SD_SS: IC2.12 SW1.7
SHIFT_REG.SH_CP: U1.49 U6.11
SHIFT_REG.SHIFT_DS: U1.47 U6.14
SHIFT_REG.SHIFT_RST: U1.50 U6.10
SHIFT_REG.ST_CP: U1.48 U6.12
SIM_RX: R28.2 R30.2 SIM1.4
SIM_TX: R29.2 SIM1.5
SS: SW1.2 U1.19
U_BTN1: R22.2 U1.65
U_BTN2: R24.2 U1.66
U_BTN3: R26.2 U1.67
USB_D+: D26.2 J7.3 R37.1
USB_D-: D25.2 J7.2 R36.1
USER_LEDS.U_LED0: R17.2 U1.89
USER_LEDS.U_LED1: R16.2 U1.88
USER_LEDS.U_LED2: R15.2 U1.87
USER_LEDS.U_LED3: R14.2 U1.86
USER_LEDS.U_LED4: R13.2 U1.85
USER_LEDS.U_LED5: R12.2 U1.84
USER_LEDS.U_LED6: R11.2 U1.83
USER_LEDS.U_LED7: R10.2 U1.82
WIFI_RX: IC1.10 U1.64
WIFI_TX: IC1.11 U1.63
pads on no net: ESP1.2 ESP1.3 ESP1.7 FID1.1 FID2.1 FID3.1 FID4.1 HT1.3 IC1.2 IC1.3 IC1.6 IC1.9 IC1.12 IC1.13 IC2.6 IC2.9 J8.1 J8.8 MH4.1 R20.1 SIM1.1 SIM1.3 SIM1.7 SIM1.8 SIM1.9 SIM1.10 SIM1.11 SIM1.12 U1.1 U1.4 U1.8 U1.12 U1.13 U1.14 U1.15 U1.16 U1.17 U1.18 U1.27 U1.28 U1.29 U1.35 U1.36 U1.37 U1.38 U1.39 U1.40 U1.41 U1.42 U1.45 U1.46 U1.51 U1.52 U1.60 U1.68 U1.69 U1.70 U1.79 U3.BODY U6.9 U7.4 U7.5 U7.6 U7.7 U7.8 U7.9 U7.10 U7.11 U7.12 U9.G U10.2 U10.3 U10.11 U10.13 U10.14 U10.15

## Text inside footprints (layer, text, board x,y; h text height)
DS1: Top Overlay "1" at 121.729,544.884 h1.02
ESP1: Top Overlay "ESP-01" at 468.08,237.121 h2.2
J1: Top Overlay "1" at 568.418,-35.784 h0.51
J3: Top Overlay "1" at 609.027,129.614 h0.51
J6: Top Overlay "1" at 442.415,-133.061 h0.51
J9: Top Overlay "1" at 873.527,-109.254 h0.51
SIM1: Top Overlay "SPK-" at 482.951,22.908 h0.76; Top Overlay "SPK+" at 482.951,25.408 h0.76; Top Overlay "MCN" at 483.651,28.008 h0.76; Top Overlay "MCP" at 483.751,30.308 h0.76; Top Overlay "DTR" at 483.751,32.808 h0.76; Top Overlay "RING" at 483.151,35.508 h0.76; Top Overlay "GND" at 468.951,25.408 h0.76; Top Overlay "TXD" at 469.151,27.908 h0.76; Top Overlay "RST" at 469.251,30.608 h0.76; Top Overlay "RST" at 469.151,33.008 h0.76; Top Overlay "VCC" at 469.151,35.508 h0.76; Top Overlay "NET" at 469.051,38.208 h0.76